# Allegro board RK3588S_Template_LP4XD556P164SD10H2_33X33_2133MHz_H1R0_V10_20220315YWQ.brd (continued)
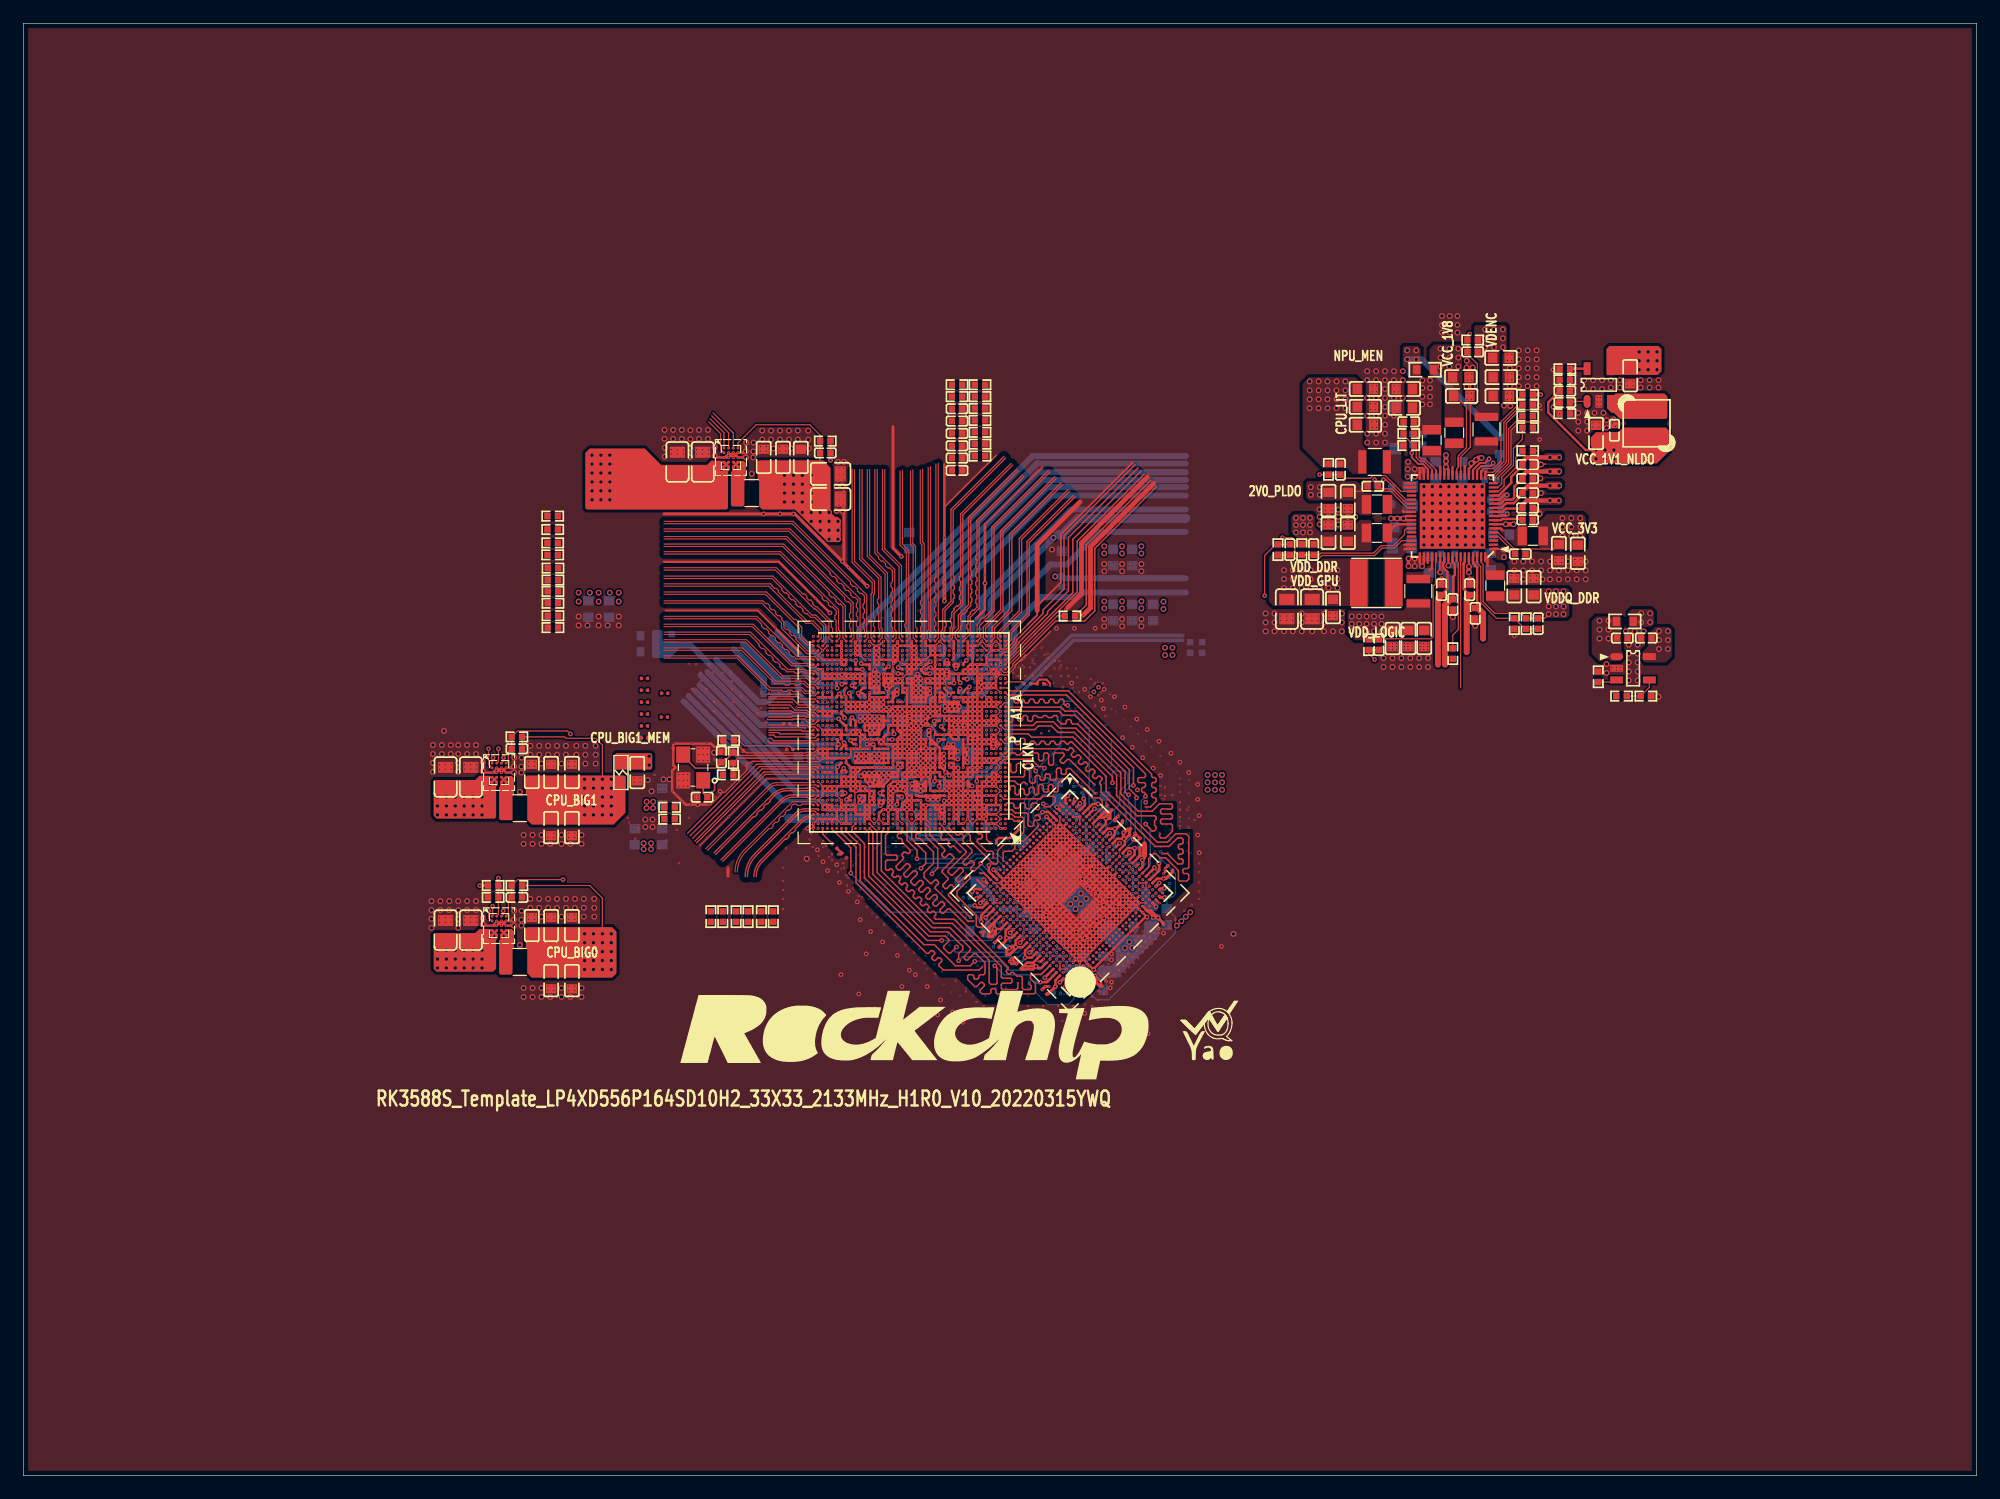
[diagram p0: board, top side]
## Routing (per net, layer and track width the routed paths; a pad name or vN(x,y) marks a point on that pad's centre or on a via; arc(x,y) is an arc through that point) (continued)
  L3-S1 w0.076: v1(83.89,64.9) 85.85,64.9 86.09,65.14 92.37,65.14 92.77,65.53 93.11,65.53 99.73,58.91 99.73,49.56 97.24,47.07 95.8,47.07 95.34,47.53 95.34,48.85 95.63,49.14 v1(95.63,49.22)
DDR_CH0_DM0_B: length 13.7
  L3-S1 w0.064: v2(82.6,62.1) v1(82.29,62.1)
  L3-S1 w0.079: v1(88.84,56.01) 88.46,56.01 87.75,56.72 87.75,57.3 88.07,57.62 88.07,58.61 88.43,58.97 88.43,59.81 87.89,60.36 87.89,60.45 v2(87.88,60.45)
  L8-S3 w0.076: v2(87.88,60.45) 87.88,60.83 87.76,60.96 85.47,60.96 85.39,60.88 85.39,60.78 85.31,60.71 85.15,60.71 85.07,60.78 85.07,60.88 84.99,60.96 84.84,60.96 84.76,60.88 84.76,60.42 84.68,60.34 84.52,60.34 84.44,60.42 84.44,60.85 84.33,60.96 83.31,60.96 83.06,61.22 83.06,61.64 v2(82.6,62.1)
DDR_CH0_DM1_A: length 31.8
  L3-S1 w0.066: v2(92.33,51.06) 92.33,51.06 92.33,51.29 92.8,51.76 v1(93.08,51.76)
  L3-S1 w0.076: v1(82.69,66.9) 82.94,67.15 84.09,67.15 84.75,67.81 88.91,67.81 88.99,67.73 v2(88.99,67.71)
  L8-S3 w0.066: 92.33,51.06 92.52,50.87 93.02,50.87 93.1,50.79 93.66,50.79 94.35,51.48 94.97,51.48 95.94,52.45 95.94,52.65
  L8-S3 w0.076: v2(92.33,51.06) 92.33,51.06 ; v2(88.99,67.71) 88.99,67.71 88.99,66.89 88.88,66.78 88.88,65.55 89.15,65.28 90.11,65.28 96.74,58.64 96.74,53.6 96.49,53.34 95.94,52.8 95.94,52.65
DDR_CH0_DM1_B: length 13.7
  L3-S1 w0.076: v1(91.39,53.46) 91.11,53.46 90.23,52.58 90.17,52.58 90.1,52.51 90.1,52.27 90.25,52.12 90.25,51.96 89.77,51.48 89.61,51.48 89.54,51.56 89.36,51.56 89.28,51.48 89.28,51.26 89.2,51.18 89.04,51.18 88.96,51.26 88.96,51.48 88.89,51.56 88.78,51.56 85.63,54.71 85.63,56.11 85.29,56.44 84.75,56.44 84.04,57.15 83.58,57.15 83.5,57.23 83.5,57.34 83.69,57.53 83.69,57.62 83.61,57.7 v1(83.5,57.7)
DDR_CH0_DQ0_A: length 30.9
  TOP w0.152: U3700.C29 97.07,48.91 v1(97.07,48.91)
  L3-S1 w0.076: v1(83.49,66.5) 83.74,66.74 84.31,66.74 84.67,67.1 88.89,67.1 89.16,67.38 89.9,67.38 90.62,66.66 v2(90.68,66.66)
  L3-S1 w0.079: v2(97.92,57.35) 97.92,57.22 98.26,56.87 98.26,56.3 98.7,55.86 98.7,50.56 97.83,49.68 97.83,49.25 97.6,49.02 97.18,49.02 v1(97.07,48.91)
  L8-S3 w0.076: v2(97.92,57.35) 98,57.43 98,59.44 92.84,64.6 91.87,64.6 90.68,65.79 v2(90.68,66.66)
DDR_CH0_DQ0_B: length 13
  TOP w0.152: U3700.C1 88.55,57.43 v1(88.55,57.43)
  L3-S1 w0.076: v1(83.07,61.7) 83.2,61.57 86.91,61.57 v2(86.99,61.65)
  L3-S1 w0.079: v1(88.55,57.43) 88.59,57.47 88.59,58.39 88.94,58.75 88.94,59.39 v2(89.61,60.06)
  L8-S3 w0.076: v2(86.99,61.65) 86.43,61.65 86.36,61.72 86.36,61.98 86.49,62.1 88.04,62.1 88.39,61.75 88.39,61.3 89.07,60.62 89.27,60.62 89.61,60.28 v2(89.61,60.06)
DDR_CH0_DQ1_A: length 37.6
  L3-S1 w0.076: v1(82.69,63.7) 83.18,64.18 86.1,64.18 86.29,64.37 91.63,64.37 92.75,63.25 93.14,63.25 93.47,63.58 93.47,63.88 93.02,64.33 93.02,64.54 93.1,64.61 93.3,64.61 98.3,59.62 98.3,59.51 97.94,59.15 97.94,59.04 98.05,58.93 98.16,58.93 98.52,59.29 98.63,59.29 98.74,59.17 98.74,59.06 98.38,58.7 98.38,58.59 98.49,58.48 98.6,58.48 98.96,58.84 99.08,58.84 99.22,58.7 99.22,58.58 99,58.36 99,58.22 99.22,58.01 99.22,49.9 97.34,48.02 96.38,48.02 96.27,48.13 96.01,48.13 95.88,48.26 95.88,48.57 95.96,48.65 v1(96.2,48.65)
DDR_CH0_DQ1_B: length 12.7
  TOP w0.152: v1(88.06,56.79) U3700.E1
  L3-S1 w0.076: v1(82.29,63.3) 82.52,63.3 v2(82.78,63.04)
  L3-S1 w0.079: v2(88.69,60.04) 88.69,58.85 88.33,58.49 88.33,57.62 87.96,57.25 87.96,56.89 v1(88.06,56.79)
  L8-S3 w0.076: v2(82.78,63.04) 82.83,63.04 83.31,62.56 83.31,61.42 83.52,61.21 88.11,61.21 88.79,60.54 88.79,60.14 v2(88.69,60.04)
DDR_CH0_DQ2_A: length 30.5
  L3-S1 w0.076: v2(91.57,66.25) 91.57,66.25 91.5,66.17 90.55,66.17 90.3,66.42 90.3,66.62 89.79,67.12 89.27,67.12 88.99,66.84 84.71,66.84 84.37,66.5 v1(83.89,66.5)
  L3-S1 w0.079: v1(96.76,49.78) 97.57,49.78 98.45,50.66 98.45,55.75 98.01,56.18 v2(97.92,56.18)
  L8-S3 w0.076: v2(91.57,66.25) 91.34,66.25 91.14,66.06 91.14,65.7 91.97,64.86 92.95,64.86 98.26,59.55 98.26,56.29 98.16,56.18 v2(97.92,56.18)
DDR_CH0_DQ2_B: length 11.2
  L3-S1 w0.076: v1(83.89,60.1) 84.06,60.27 85.32,60.27 v2(85.63,59.95)
  L3-S1 w0.079: v2(91,59.8) 90.9,59.69 90.6,59.69 90.47,59.57 89.98,59.57 89.57,59.16 89.57,58.95 89.57,57.94 89.41,57.77 v1(89.41,57.14)
  L8-S3 w0.076: v2(91,59.8) 90.9,59.69 86.8,59.69 86.62,59.86 85.72,59.86 v2(85.63,59.95)
DDR_CH0_DQ3_A: length 37.3
  L3-S1 w0.076: v1(96.2,49.22) 96.2,48.96 96.25,48.91 96.3,48.91 96.43,48.78 96.43,48.42 96.57,48.27 97.23,48.27 97.34,48.38 97.34,48.49 97.29,48.54 97.29,48.65 97.4,48.76 97.51,48.76 97.56,48.71 97.67,48.71 98.11,49.15 98.11,49.47 98.18,49.54 98.3,49.54 98.34,49.5 98.45,49.5 98.56,49.6 98.56,49.71 98.45,49.83 98.45,49.94 98.56,50.05 98.67,50.05 98.78,49.94 98.89,49.94 98.96,50 98.96,56.15 98.88,56.23 98.69,56.23 98.61,56.31 98.61,56.47 98.69,56.55 98.88,56.55 98.96,56.63 98.96,56.78 98.88,56.86 98.58,56.86 98.51,56.94 98.51,57.1 98.58,57.18 98.88,57.18 98.96,57.26 98.96,57.65 98.91,57.7 98.8,57.7 98.52,57.42 98.41,57.42 98.3,57.53 98.3,57.64 98.58,57.92 98.58,58.03 98.46,58.14 98.35,58.14 98.07,57.87 97.96,57.87 97.85,57.98 97.85,58.09 98.13,58.37 98.13,58.48 98.02,58.59 97.91,58.59 97.69,58.37 97.58,58.37 97.47,58.49 97.47,58.6 97.68,58.81 97.68,58.92 97.41,59.2 97.41,59.34 97.49,59.41 97.82,59.41 97.9,59.49 97.9,59.65 97.82,59.73 97.58,59.73 97.5,59.81 97.5,60.05 94,63.55 93.8,63.55 92.99,62.74 92.88,62.74 91.51,64.11 86.36,64.11 86.26,64.01 83.4,64.01 v1(83.09,63.7)
DDR_CH0_DQ3_B: length 14.7
  L3-S1 w0.076: v1(82.29,61.7) 82.93,61.06 88.94,61.06 v2(89.03,61.14)
  L3-S1 w0.079: v1(88.84,56.57) 88.65,56.77 88.65,57.15 88.84,57.35 88.84,58.28 89.2,58.64 89.2,59.15 90.39,60.34 v2(90.39,60.51)
  L8-S3 w0.076: v2(89.03,61.14) 88.77,61.4 88.77,61.59 88.9,61.72 89.5,61.72 90.39,60.83 v2(90.39,60.51)
DDR_CH0_DQ4_A: length 35.1
  L3-S1 w0.076: v1(82.29,63.7) 82.77,64.17 82.84,64.17 83.06,64.39 86.03,64.39 86.26,64.62 91.73,64.62 91.98,64.38 92.09,64.38 92.16,64.45 92.27,64.45 92.38,64.34 92.38,64.23 92.31,64.16 92.31,64.05 92.85,63.5 93.01,63.5 93.11,63.61 v2(93.11,63.7)
  L3-S1 w0.079: v2(97.59,55.12) 98.11,55.12 98.19,55.04 98.19,50.77 98.09,50.67 97.87,50.67 97.79,50.75 97.79,51.18 97.61,51.36 97.27,51.36 96.26,50.35 v1(96.2,50.35)
  L8-S3 w0.076: v2(93.11,63.7) 93.11,63.36 93.91,62.56 94.02,62.56 94.22,62.75 94.33,62.75 94.44,62.64 94.44,62.53 94.25,62.34 94.25,62.22 94.76,61.71 94.88,61.71 95.07,61.9 95.18,61.9 95.29,61.79 95.29,61.68 95.1,61.49 95.1,61.37 95.69,60.78 95.8,60.78 95.94,60.92 96.05,60.92 96.16,60.81 96.16,60.7 96.02,60.56 96.02,60.45 97.22,59.25 97.67,59.25 97.75,59.17 97.75,59.02 97.67,58.94 97.59,58.94 97.51,58.86 97.51,58.7 97.59,58.62 97.67,58.62 97.75,58.54 97.75,58.39 97.67,58.31 97.59,58.31 97.51,58.23 97.51,58.07 97.59,57.99 97.67,57.99 97.75,57.91 97.75,57.76 97.67,57.68 97.59,57.68 97.51,57.6 97.51,55.92 97.59,55.84 98.18,55.84 98.26,55.76 98.26,54.94 98.18,54.86 97.67,54.86 97.59,54.94 v2(97.59,55.12)
DDR_CH0_DQ4_B: length 16.2
  L3-S1 w0.076: v1(89.97,56.57) 90.11,56.71 90.11,56.79 90.93,57.61 90.93,58.04 90.79,58.18 89.91,58.18 89.83,58.26 89.83,58.45 89.91,58.53 90.22,58.53 90.3,58.61 90.3,58.77 90.22,58.84 89.91,58.84 89.83,58.92 89.83,59.06 90.08,59.31 90.58,59.31 90.63,59.36 91.11,59.36 91.4,59.66 91.4,59.98 90.53,60.85 89.68,60.85 89.52,60.69 88.66,60.69 88.55,60.8 82.77,60.8 82.69,60.72 v1(82.69,60.5)
DDR_CH0_DQ5_A: length 37.2
  L3-S1 w0.066: v1(95.63,49.78) 95.63,49.5 95.88,49.25
  L3-S1 w0.076: 95.88,49.25 95.88,49.02 95.6,48.73 95.6,47.64 95.91,47.33 97.14,47.33 99.47,49.66 99.47,58.81 93.4,64.88 93.18,64.88 93.1,64.96 93.1,65.18 93.02,65.26 92.86,65.26 92.78,65.18 92.78,64.85 92.7,64.77 92.18,64.77 92.07,64.88 86.22,64.88 85.96,64.62 82.99,64.62 82.89,64.52 82.68,64.52 v1(82.29,64.9)
DDR_CH0_DQ5_B: length 16.1
  L3-S1 w0.076: v1(83.09,60.5) 83.21,60.62 83.37,60.62 83.45,60.54 83.45,60.43 83.53,60.35 83.68,60.35 83.76,60.43 83.76,60.54 83.84,60.62 84.07,60.62 84.24,60.45 84.45,60.45 84.58,60.58 84.71,60.58 84.84,60.45 85.09,60.45 85.22,60.58 85.52,60.58 85.6,60.5 85.6,60.4 85.68,60.32 85.72,60.32 86.04,59.99 86.04,59.67 86.15,59.56 86.35,59.56 86.42,59.64 86.42,59.74 86.5,59.82 86.61,59.82 86.75,59.68 86.86,59.68 86.94,59.61 86.94,59.34 87.02,59.27 87.18,59.27 87.26,59.34 87.26,59.61 87.33,59.68 87.49,59.68 87.57,59.61 87.57,59.34 87.65,59.27 87.81,59.27 87.89,59.34 87.89,59.64 87.96,59.72 88.1,59.72 88.17,59.64 88.17,59.07 88.08,58.98 87.95,58.98 87.87,58.9 87.87,58.77 87.79,58.69 87.63,58.69 87.55,58.77 87.55,58.9 87.48,58.98 87.2,58.98 87.12,58.9 87.12,58.7 87.2,58.62 87.3,58.62 87.38,58.54 87.38,58.41 87.37,58.41 87.26,58.3 87.2,58.3 87.12,58.22 87.12,57.95 87.2,57.87 87.66,57.87 87.67,57.88 87.74,57.88 87.82,57.8 87.82,57.69 87.74,57.61 87.58,57.61 87.5,57.53 87.5,56.7 88.01,56.19 88.01,55.88 88.14,55.75 89.33,55.75 89.41,55.83 v1(89.41,56.01)
DDR_CH0_DQ6_A: length 32.5
  L3-S1 w0.066: 96.33,50.67 96.24,50.67 95.93,50.37 95.65,50.37 v1(95.63,50.35)
  L3-S1 w0.076: v1(83.49,64.9) 83.73,65.14 85.77,65.14 86.02,65.39 90.32,65.39 90.4,65.47 90.4,65.58 90.48,65.66 90.64,65.66 90.72,65.58 90.72,65.47 90.8,65.39 90.95,65.39 91.03,65.47 91.03,65.58 91.11,65.66 91.27,65.66 91.35,65.58 91.35,65.47 91.43,65.39 91.71,65.39 91.78,65.47 v2(91.78,65.53)
  L3-S1 w0.079: v2(97.59,53.98) 97.74,54.12 97.86,54.12 97.93,54.04 97.93,53 97.79,52.86 97.79,52.69 97.93,52.54 97.93,52.12 97.86,52.04 97.69,52.04 97.54,51.88 97.54,51.74 97.36,51.56 97.22,51.56 96.33,50.67
  L8-S3 w0.076: v2(91.78,65.53) 91.78,65.81 91.86,65.89 92.43,65.89 92.63,65.69 92.63,65.19 92.71,65.12 93.06,65.12 98.52,59.66 98.52,54.58 98.44,54.5 98.26,54.5 98.18,54.42 98.18,54.26 98.26,54.18 98.46,54.18 98.54,54.1 98.54,53.89 98.14,53.49 98.03,53.49 97.92,53.61 97.92,53.82 97.76,53.98 v2(97.59,53.98)
DDR_CH0_DQ6_B: length 17
  L3-S1 w0.066: v1(89.97,56.01) 90.04,56.08 90.04,56.36 90.27,56.59
  L3-S1 w0.076: 90.27,56.59 90.31,56.63 90.31,56.74 91.11,57.54 91.11,58.22 90.9,58.43 90.63,58.43 90.55,58.51 90.55,58.85 90.63,58.93 90.8,58.93 90.98,59.11 91.21,59.11 91.4,59.29 91.56,59.29 91.66,59.38 91.66,60.08 90.63,61.11 89.97,61.11 89.89,61.19 89.89,61.63 89.79,61.74 89.4,61.74 89.26,61.59 89.09,61.59 88.94,61.74 88.67,61.74 88.59,61.66 88.59,61.39 88.51,61.31 88.36,61.31 88.28,61.39 88.28,61.66 88.2,61.74 88,61.74 87.9,61.64 87.9,61.39 87.83,61.31 82.96,61.31 82.69,61.58 v1(82.69,61.7)
DDR_CH0_DQ7_A: length 38.5
  L3-S1 w0.076: v1(83.09,65.3) 83.16,65.37 85.69,65.37 85.97,65.65 88.58,65.65 89.08,66.16 89.93,66.16 90.17,65.91 93.09,65.91 99.99,59.02 99.99,49.45 97.35,46.81 95.7,46.81 95.08,47.43 95.08,48.87 94.93,49.02 94.93,49.46 95.06,49.6 v1(95.06,49.78)
DDR_CH0_DQ7_B: length 13.6
  L3-S1 w0.076: v1(82.29,60.5) 82.29,60.58 v2(81.98,60.89) ; v2(84.62,59.95) 84.62,59.72 84.91,59.44 85.09,59.44 85.28,59.63 85.79,59.63 86.11,59.31 86.61,59.31 86.87,59.06 86.87,58.24 86.31,57.68 86.31,56.92 87.35,55.88 87.5,55.88 87.81,55.57 89.28,55.57 v1(89.41,55.44)
  L8-S3 w0.076: v2(84.62,59.95) 84.15,59.95 84.07,60.03 84.07,60.49 83.99,60.58 83.57,60.58 83.49,60.5 83.49,60.15 83.42,60.07 83.26,60.07 83.18,60.15 83.18,60.5 83.1,60.58 82.29,60.58 v2(81.98,60.89)
DDR_CH0_DQ8_A: length 35.8
  L3-S1 w0.076: v1(82.29,66.9) 82.75,67.35 83.99,67.35 84.71,68.07 89.7,68.07 90.2,67.57 v2(90.2,67.56) ; v1(92.52,52.33) 92.51,52.33 91.94,51.76 91.94,51.61 91.37,51.04 v2(91.37,50.51)
  L8-S3 w0.066: 94.74,50.55 93.98,50.55 93.69,50.26 92.14,50.26 v3(91.95,50.45) 91.43,50.45 v2(91.37,50.51) ; 95.13,50.93 95.64,50.93
  L8-S3 w0.076: 94.74,50.55 95.13,50.93 ; v2(90.2,67.56) 90.2,67.03 90.32,66.91 90.32,65.79 97.25,58.86 97.25,53.18 96.52,52.45 96.52,52.32 96.27,52.07 96.27,51.56 95.64,50.93
DDR_CH0_DQ8_B: length 15.6
  L3-S1 w0.076: v1(82.29,57.7) 82.42,57.57 82.42,57.08 82.87,56.64 84.03,56.64 84.67,56.01 85.05,56.01 85.3,55.76 85.3,54.82 85.1,54.62 85.1,54.51 88.35,51.27 88.35,50.9 88.58,50.67 89.42,50.67 89.49,50.59 89.71,50.59 89.78,50.67 89.96,50.67 90.13,50.84 90.13,51.12 90.73,51.72 90.73,51.87 90.84,51.98 90.95,51.98 91.15,52.18 91.15,52.32 91.49,52.65 91.62,52.65 91.69,52.58 91.82,52.58 91.95,52.71 v1(91.95,52.9)
DDR_CH0_DQ9_A: length 29.8
  L3-S1 w0.076: v1(82.29,68.1) 83.15,68.96 83.57,68.96 84.11,69.5 85.25,69.5 v2(85.34,69.6) ; v2(85.82,62.68) 85.92,62.77 90.51,62.77 90.79,62.77 93.43,60.14 93.43,57.16 94.61,55.98 94.61,55.65 94.69,55.57 94.83,55.57 94.9,55.49 94.9,55.34 94.83,55.26 94.69,55.26 94.61,55.18 94.61,54.16 93.35,52.9 v1(93.08,52.9)
  L8-S3 w0.076: v3(85.34,69.24) 85.34,66.94 85.74,66.55 85.74,65.77 85.66,65.69 85.55,65.69 85.47,65.61 85.47,65.45 85.55,65.38 85.66,65.38 85.74,65.3 85.74,65.14 85.66,65.06 85.55,65.06 85.47,64.98 85.47,64.82 85.55,64.75 85.66,64.75 85.74,64.67 85.74,64.51 85.66,64.43 85.55,64.43 85.47,64.35 85.47,64.19 85.55,64.12 85.66,64.12 85.74,64.04 85.74,63.88 85.66,63.8 85.55,63.8 85.47,63.72 85.47,63.56 85.55,63.49 85.66,63.49 85.74,63.41 85.74,62.76 v2(85.82,62.68)
  L8-S3 w0.079: v3(85.34,69.24) v2(85.34,69.6)
DDR_CH0_DQ9_B: length 15.6
  L3-S1 w0.066: 92.73,53.96 92.63,53.85 92.63,53.57 v1(92.52,53.46)
  L3-S1 w0.076: v2(83.57,58.36) 83.43,58.5 v1(83.09,58.5)
  L3-S1 w0.079: 92.73,53.96 93,54.23 93.24,54.23 93.6,54.59 93.6,56.15 v2(93.25,56.5)
  L8-S3 w0.076: v2(93.25,56.5) 93.25,56.91 92.12,58.04 91.23,58.04 90.35,58.92 86.38,58.92 86.2,59.09 84.3,59.09 v2(83.57,58.36)
DDR_CH0_DQ10_A: length 30.6
  L3-S1 w0.076: v2(92.83,52.08) 93.08,52.33 v1(93.08,52.33) ; v2(87.76,69.34) 87.4,69.34 87.24,69.18 86.22,69.18 86.13,69.28 84.26,69.28 83.66,68.67 83.27,68.67 v1(82.69,68.1)
  L8-S3 w0.066: v2(92.83,52.08) 93.09,51.82 93.39,51.82 93.64,51.57 93.93,51.57 94.24,51.87 94.75,51.87 95.07,52.19 95.07,52.77 95.45,53.14
  L8-S3 w0.076: v2(87.76,69.34) 87.63,69.22 87.63,67.31 88.07,66.87 88.07,65.62 89.3,64.39 89.91,64.39 93.06,61.24 93.42,61.24 96.23,58.43 96.23,53.81 95.63,53.22 95.52,53.22 95.45,53.14
DDR_CH0_DQ10_B: length 14.9
  L3-S1 w0.066: 91.47,53.25 91.67,53.46 v1(91.95,53.46)
  L3-S1 w0.076: 91.47,53.25 91.43,53.22 91.23,53.22 90.47,52.46 90.47,51.82 89.88,51.23 89.88,51 89.8,50.92 88.69,50.92 88.61,51 88.61,51.37 85.47,54.51 85.47,55.88 85.12,56.23 84.71,56.23 84.05,56.9 83.06,56.9 82.69,57.26 v1(82.69,57.7)
DDR_CH0_DQ11_A: length 31.8
  L3-S1 w0.076: v2(84.88,66.22) 84.7,66.04 82.35,66.04 v1(81.89,66.5) ; v2(84.8,62.68) 85.16,63.03 90.9,63.03 93.69,60.24 93.69,57.27 95.16,55.8 95.16,55.03 94.87,54.74 94.87,54.12 v1(93.65,52.9)
  L8-S3 w0.076: v2(84.8,62.68) 84.8,63.23 84.88,63.31 85.14,63.31 85.21,63.39 85.21,63.55 85.14,63.63 84.42,63.63 84.34,63.71 84.34,63.86 84.42,63.94 85.14,63.94 85.21,64.02 85.21,64.18 85.14,64.26 84.42,64.26 84.34,64.34 84.34,64.49 84.42,64.57 85.14,64.57 85.21,64.65 85.21,64.81 85.14,64.89 84.42,64.89 84.34,64.97 84.34,65.12 84.42,65.2 85.14,65.2 85.21,65.28 85.21,65.44 85.14,65.52 84.42,65.52 84.34,65.6 84.34,65.75 84.42,65.83 84.8,65.83 84.88,65.91 v2(84.88,66.22)
DDR_CH0_DQ11_B: length 16.7
  L3-S1 w0.076: v1(82.69,58.5) 82.29,58.91 v2(82.22,58.91)
  L3-S1 w0.079: v1(92.52,54.03) 93.23,54.73 v2(93.29,54.73)
  L8-S3 w0.076: v2(93.29,54.73) 93.34,54.78 93.34,54.79 93.66,55.11 93.66,56.01 93.59,56.08 93.59,56.93 92.23,58.3 91.34,58.3 90.46,59.18 86.58,59.18 86.41,59.35 82.66,59.35 v2(82.22,58.91)
DDR_CH0_DQ12_A: length 30.4
  L3-S1 w0.076: v1(93.65,51.76) 93.28,51.39 v2(93.27,51.39) ; v1(83.09,66.49) 83.09,66.39 83.2,66.28 84.48,66.28 84.79,66.59 88.38,66.59 88.46,66.51 v2(88.46,66.38)
  L8-S3 w0.066: 94.82,51.69 94.31,51.69 94.01,51.39 v2(93.27,51.39) ; 95.27,52.13 95.27,52.72 95.5,52.96 95.63,52.96
  L8-S3 w0.076: v2(88.46,66.38) 88.33,66.25 88.33,65.72 89.03,65.02 89.29,65.02 89.37,64.94 89.37,64.72 89.45,64.64 89.61,64.64 89.69,64.72 89.69,64.94 89.77,65.02 90,65.02 90.27,64.75 90.27,64.64 90.2,64.57 90.2,64.46 90.31,64.35 90.42,64.35 90.49,64.42 90.6,64.42 90.72,64.3 90.72,64.19 90.65,64.12 90.65,64.01 90.76,63.9 90.87,63.9 90.94,63.97 91.05,63.97 91.16,63.86 91.16,63.75 91.09,63.68 91.09,63.57 91.2,63.45 91.31,63.45 91.38,63.52 91.5,63.52 91.61,63.41 91.61,63.3 91.54,63.23 91.54,63.12 91.65,63.01 91.76,63.01 91.83,63.08 91.94,63.08 92.05,62.97 92.05,62.86 91.98,62.79 91.98,62.67 92.09,62.56 92.2,62.56 92.28,62.63 92.39,62.63 92.5,62.52 92.5,62.41 92.43,62.34 92.43,62.23 92.54,62.12 92.65,62.12 92.72,62.19 92.83,62.19 92.94,62.08 92.94,61.97 92.87,61.9 92.87,61.78 92.98,61.67 93.1,61.67 93.17,61.74 93.28,61.74 96.48,58.54 96.48,53.7 96.23,53.45 95.74,52.96 95.63,52.96 ; 95.27,52.13 94.82,51.69
DDR_CH0_DQ12_B: length 16.1
  L3-S1 w0.066: v1(91.39,54.03) 91.34,53.98 91.16,53.98 90.9,54.23 90.74,54.23 89.66,53.15
  L3-S1 w0.076: 89.66,53.15 89.66,52.31 89.43,52.07 88.99,52.07 85.97,55.09 85.97,58.09 85.9,58.17 85.49,58.17 84.06,59.59 83.4,59.59 83.32,59.67 83.32,59.74 83.24,59.82 83.09,59.82 83.01,59.74 83.01,59.67 82.93,59.59 82.63,59.59 82.55,59.67 82.55,59.82 82.29,60.08 v1(82.29,60.1)
DDR_CH0_DQ13_A: length 29.9
  L3-S1 w0.066: v2(94.99,53.11) 94.99,53.11 94.88,53.11 94.22,52.45 v1(94.22,52.33)
  L3-S1 w0.076: v1(83.11,66.92) 83.14,66.95 84.22,66.95 84.62,67.35 v1(84.84,67.35) 84.87,67.31 85.4,67.31 85.48,67.39 85.48,67.48 85.56,67.55 85.72,67.55 85.79,67.48 85.79,67.39 85.87,67.31 86.03,67.31 86.11,67.39 86.11,67.48 86.19,67.55 86.51,67.55 v2(86.62,67.44)
  L8-S3 w0.076: v2(86.62,67.44) 86.62,67.2 86.77,67.06 87.52,67.06 87.59,66.98 87.59,66.75 87.51,66.67 86.95,66.67 86.87,66.6 86.87,65.79 86.99,65.66 86.99,63.5 87.11,63.39 87.29,63.39 87.37,63.47 87.37,64.38 87.46,64.47 87.6,64.47 87.68,64.39 87.68,63.47 87.76,63.39 88,63.39 88.08,63.47 88.08,63.68 88.16,63.75 88.32,63.75 88.39,63.68 88.39,63.47 88.47,63.39 89.32,63.39 89.4,63.47 89.4,63.68 89.48,63.75 89.64,63.75 89.71,63.68 89.71,63.47 89.79,63.39 90.18,63.39 92.84,60.72 93.21,60.72 94.5,59.43 94.5,58.66 94.77,58.39 94.77,57.23 95.27,56.72 95.27,53.39 95,53.11 v2(94.99,53.11)
DDR_CH0_DQ13_B: length 13.6
  L3-S1 w0.066: v2(92.76,55.5) 92.76,55.32 92.03,54.59 v1(91.95,54.59)
  L3-S1 w0.076: v2(85.47,58.67) 85.35,58.67 84.23,59.79 83.81,59.79 v1(83.49,60.1)
  L8-S3 w0.076: v2(92.76,55.5) 92.76,55.88 92.82,55.95 92.82,56.3 92.91,56.39 92.91,56.89 92.02,57.78 91.12,57.78 90.24,58.66 86.27,58.66 86.09,58.84 85.64,58.84 v2(85.47,58.67)
DDR_CH0_DQ14_A: length 31.2
  L3-S1 w0.076: v1(93.63,51.2) 93,50.57 v2(92.88,50.57) ; v1(82.69,65.3) 82.99,65.6 85.62,65.6 85.92,65.91 88.47,65.91 88.98,66.41 89.77,66.41 89.88,66.52 v2(89.92,66.52)
  L8-S3 w0.066: 96.01,51.58 95.62,51.18 95.12,51.18 95,51.31 94.42,51.31 93.68,50.57
  L8-S3 w0.076: v2(92.88,50.57) 93.68,50.57 ; 96.01,51.58 96.01,52.2 96.14,52.32 96.14,52.48 97,53.34 97,58.75 90.06,65.68 90.06,66.04 89.95,66.16 89.67,66.16 89.59,66.24 89.59,66.44 89.67,66.52 v2(89.92,66.52)
DDR_CH0_DQ14_B: length 15.5
  L3-S1 w0.076: v1(82.29,58.5) 82.29,58.42 82.97,57.74 82.97,57.36 83.05,57.28 83.16,57.28 83.23,57.35 83.23,57.76 83.51,58.04 84.12,58.04 84.2,57.96 84.2,57.85 84.12,57.77 84.03,57.77 83.95,57.69 83.95,57.54 84.03,57.46 84.12,57.46 84.2,57.38 84.2,57.26 84.83,56.63 85.49,56.63 85.78,56.33 85.78,54.92 88.89,51.82 89.65,51.82 89.87,52.04 89.87,53.08 90.81,54.03 v1(90.82,54.03)
DDR_CH0_DQ15_A: length 31
  L3-S1 w0.066: 95.33,53.24 95.33,53.02 95.01,52.7 94.73,52.7 94.43,52.4 94.43,52.26 94.3,52.13 94.3,51.85 v1(94.22,51.76)
  L3-S1 w0.076: v1(82.29,65.3) 82.85,65.86 85.56,65.86 86,66.29 86.49,66.29 86.61,66.17 87.13,66.17 v2(87.21,66.25)
  L3-S1 w0.079: v2(95.61,54.3) 95.61,54.43 95.36,54.69 95.2,54.69 95.12,54.61 95.12,53.97 95.33,53.77 95.33,53.24
  L8-S3 w0.076: v2(95.61,54.3) 95.53,54.38 95.53,55.89 95.65,56.01 95.81,56.01 95.89,56.09 95.89,56.2 95.81,56.28 95.61,56.28 95.53,56.36 95.53,56.8 95.71,56.98 95.71,57.22 95.5,57.43 95.5,58.16 95.76,58.42 95.76,58.54 93.31,60.98 92.95,60.98 89.8,64.13 89.2,64.13 88.1,65.22 87.99,65.22 87.88,65.11 87.88,65 88.83,64.05 88.83,63.94 88.72,63.83 88.61,63.83 87.44,65 87.44,65.11 87.77,65.44 87.77,65.56 87.67,65.66 87.56,65.66 87.45,65.55 87.34,65.55 87.25,65.65 87.25,65.8 87.33,65.88 87.33,65.99 87.2,66.13 87.2,66.24 v2(87.21,66.25)
DDR_CH0_DQ15_B: length 16.4
  L3-S1 w0.066: v1(91.39,54.59) 91.5,54.7 91.78,54.7 92.11,55.03 92.24,55.03 92.46,55.25 92.46,55.63
  L3-S1 w0.076: v1(81.89,60.1) 81.89,60.03 v2(82.21,59.71)
  L3-S1 w0.079: 92.46,55.63 92.89,56.06 92.89,56.56 93.05,56.73 v2(93.05,58.04)
  L8-S3 w0.076: v2(93.05,58.04) 92.99,58.04 91.59,59.43 86.69,59.43 86.52,59.61 82.31,59.61 v2(82.21,59.71)
DDR_CH0_DQS0N_A: length 31.3
  L3-S1 w0.064: v4(91.46,66.96) 91.46,67.17 90.09,68.54 84.66,68.54 84,67.89 83.71,67.89 v1(83.49,68.1)
  L3-S1 w0.069: v1(96.2,49.78) v2(96.41,49.57)
  L8-S3 w0.064: v4(91.46,66.96) 91.74,66.96 92.11,66.59 92.37,66.59 99.04,59.91 99.04,53.75 v3(97.92,52.62) 97.92,52.5 96.48,51.06 96.43,51.01 96.43,49.59 v2(96.41,49.57)
DDR_CH0_DQS0N_B: length 8.9
  L3-S1 w0.069: v1(83.89,55.7) 83.89,55.95 v2(83.97,56.03) ; v1(89.41,56.57) v2(89.2,56.78)
  L8-S3 w0.064: v2(83.97,56.03) 83.78,56.22 83.78,56.43 83.88,56.53 83.88,56.73 83.78,56.84 83.78,57.08 83.92,57.23 84.07,57.23 84.21,57.37 84.21,57.52 84.67,57.98 85.01,57.98 85.12,57.87 85.32,57.87 85.42,57.98 87.29,57.98 87.64,57.63 88.56,57.63 88.78,57.41 89.15,57.41 89.44,57.12 89.44,57.02 v2(89.2,56.78)
DDR_CH0_DQS0P_A: length 30.8
  L3-S1 w0.064: v4(91.86,67.36) 91.52,67.36 90.16,68.72 84.59,68.72 84.41,68.53 84.26,68.53 84.12,68.39 84.12,68.24 83.97,68.1 v1(83.89,68.1)
  L3-S1 w0.069: v2(96.77,50.2) 96.62,50.2 v1(96.48,50.07)
  L8-S3 w0.064: v2(96.77,50.2) 96.67,50.2 96.6,50.27 96.6,50.94 98.23,52.56 98.23,52.69 98.57,53.03 v3(98.66,53.03) 98.66,53.12 99.21,53.67 99.21,59.99 92.44,66.76 92.18,66.76 91.86,67.08 v4(91.86,67.36)
DDR_CH0_DQS0P_B: length 9
  L3-S1 w0.069: v1(83.49,55.7) 83.49,55.95 v2(83.41,56.03) ; v1(89.69,56.86) v2(89.9,57.07)
  L8-S3 w0.064: v2(83.41,56.03) 83.61,56.22 83.61,57.16 84.6,58.15 87.36,58.15 87.71,57.8 88.63,57.8 88.85,57.58 89.22,57.58 89.74,57.07 v2(89.9,57.07)
DDR_CH0_DQS1N_A: length 29.1
  L3-S1 w0.064: v2(86.67,70.33) 86.47,70.13 86.33,70.13 86.2,70.26 84.87,70.26 84.75,70.14 83.61,70.14 83.52,70.06 83.13,70.06 v1(83.09,70.1)
  L3-S1 w0.069: v2(93.41,52.57) v1(93.65,52.33)
  L8-S3 w0.064: v3(86.45,70.11) 86.18,69.84 86.18,69.21 86.11,69.14 86.03,69.14 85.85,68.97 85.85,68.59 86.13,68.31 86.13,68.21 85.85,67.94 85.85,67.07 86.24,66.69 86.24,63.02 86.55,62.71 89.48,62.71 91.44,60.75 91.44,60.44 91.86,60.03 93,60.03 93.58,59.45 93.58,57.53 94.03,57.08 94.03,56.6 94.65,55.98 94.65,54.28 93.64,53.27 93.64,52.79 v2(93.41,52.57)
  L8-S3 w0.066: v2(86.67,70.33) v3(86.45,70.11)
DDR_CH0_DQS1N_B: length 13.9
  L3-S1 w0.064: v1(83.49,58.9) 83.71,59.11 84.13,59.11 85.32,57.93 85.32,57.35 v2(85.52,57.16)
  L3-S1 w0.069: v2(92.17,53.81) v1(91.95,54.03)
  L8-S3 w0.064: v2(85.52,57.16) 85.29,56.94 85.29,56.3 85.46,56.13 85.61,56.13 85.75,55.99 85.75,55.84 85.9,55.7 86.04,55.7 86.19,55.55 86.19,55.41 86.33,55.26 86.48,55.26 86.62,55.12 86.62,54.97 86.77,54.83 86.91,54.83 87.06,54.68 87.06,54.54 87.2,54.39 87.35,54.39 87.49,54.25 87.49,54.1 87.64,53.96 87.78,53.96 87.93,53.82 87.93,53.67 88.25,53.34 89.28,53.34 89.4,53.47 89.62,53.47 89.73,53.57 89.93,53.57 90.03,53.47 90.24,53.47 90.34,53.57 90.54,53.57 90.65,53.47 90.85,53.47 90.95,53.57 91.16,53.57 91.26,53.47 91.47,53.47 91.57,53.57 91.77,53.57 91.88,53.47 92.08,53.47 92.25,53.64 92.25,53.73 v2(92.17,53.81)
DDR_CH0_DQS1P_A: length 29.5
  L3-S1 w0.064: v1(82.69,70.1) 82.91,69.89 83.59,69.89 83.68,69.97 84.82,69.97 84.94,70.09 86.13,70.09 86.26,69.96 86.47,69.96 v2(86.67,69.76)
  L3-S1 w0.069: v1(93.93,52.61) v2(94.17,52.85)
  L8-S3 w0.064: v2(86.67,69.76) 86.58,69.85 86.43,69.85 86.35,69.77 86.35,69.42 v3(86.43,69.34) 86.35,69.27 86.35,69.14 86.18,68.97 86.1,68.97 86.02,68.9 86.02,68.66 86.3,68.38 86.3,68.14 86.02,67.86 86.02,67.15 86.41,66.76 86.41,63.09 86.62,62.88 89.55,62.88 91.61,60.82 91.61,60.51 91.93,60.2 93.07,60.2 93.75,59.52 93.75,57.6 94.21,57.15 94.21,56.67 94.82,56.06 94.82,54.21 94.24,53.63 94.24,53.49 94.1,53.34 93.95,53.34 93.81,53.2 93.81,52.78 93.88,52.71 94.03,52.71 v2(94.17,52.85)
DDR_CH0_DQS1P_B: length 13.5
  L3-S1 w0.064: v2(84.95,57.16) 85.15,57.35 85.15,57.86 84.06,58.94 83.93,58.94 v1(83.89,58.9)
  L3-S1 w0.069: v2(92.46,54.51) 92.25,54.3 v1(92.23,54.3)
  L8-S3 w0.064: v2(84.95,57.16) 85.12,56.99 85.12,56.23 88.18,53.17 89.35,53.17 89.47,53.29 92.15,53.29 92.5,53.65 92.5,54.47 v2(92.46,54.51)
DDR_CH0_LP4/4X_CKE0/LP5_CS0_A: length 26.4
  TOP w0.107: 84.33,66.7 84.1,66.7 U1000.AK1
  TOP w0.122: 84.33,66.7 89.13,66.7 95.87,59.95 95.87,59.74 95.76,59.63 95.31,59.63 95.21,59.53 95.21,59.31 95.31,59.21 95.76,59.21 95.87,59.1 95.87,58.91 95.76,58.8 95.65,58.8 95.54,58.69 95.54,58.48 95.65,58.37 95.76,58.37 95.87,58.27 v4(95.87,58.04)
  BOTTOM w0.122: R3712.1 94.38,51.09 94.38,51.6 95.12,52.35 95.12,52.83 95.76,53.47 95.76,54.74 95.5,54.99 95.5,57.67 v4(95.87,58.04)
DDR_CH0_LP4/4X_CKE0/LP5_CS0_B: length 11.1
  TOP w0.107: 83.77,57.82 U1000.H2
  TOP w0.122: v4(87.13,57.4) 87.13,57.27 87.26,57.15 87.71,57.15 88.15,57.6 88.15,57.92 88.03,58.04 87.12,58.04 86.91,57.82 84.2,57.82 84.17,57.78 83.81,57.78 83.77,57.82
  BOTTOM w0.122: R3701.1 89.68,54.76 89.92,54.99 89.92,55.24 89.7,55.46 89.37,55.46 87.42,57.4 v4(87.13,57.4)
